# Altium PCB 75100_407_v5.0.PcbDoc (part 1 of 2) (continued)
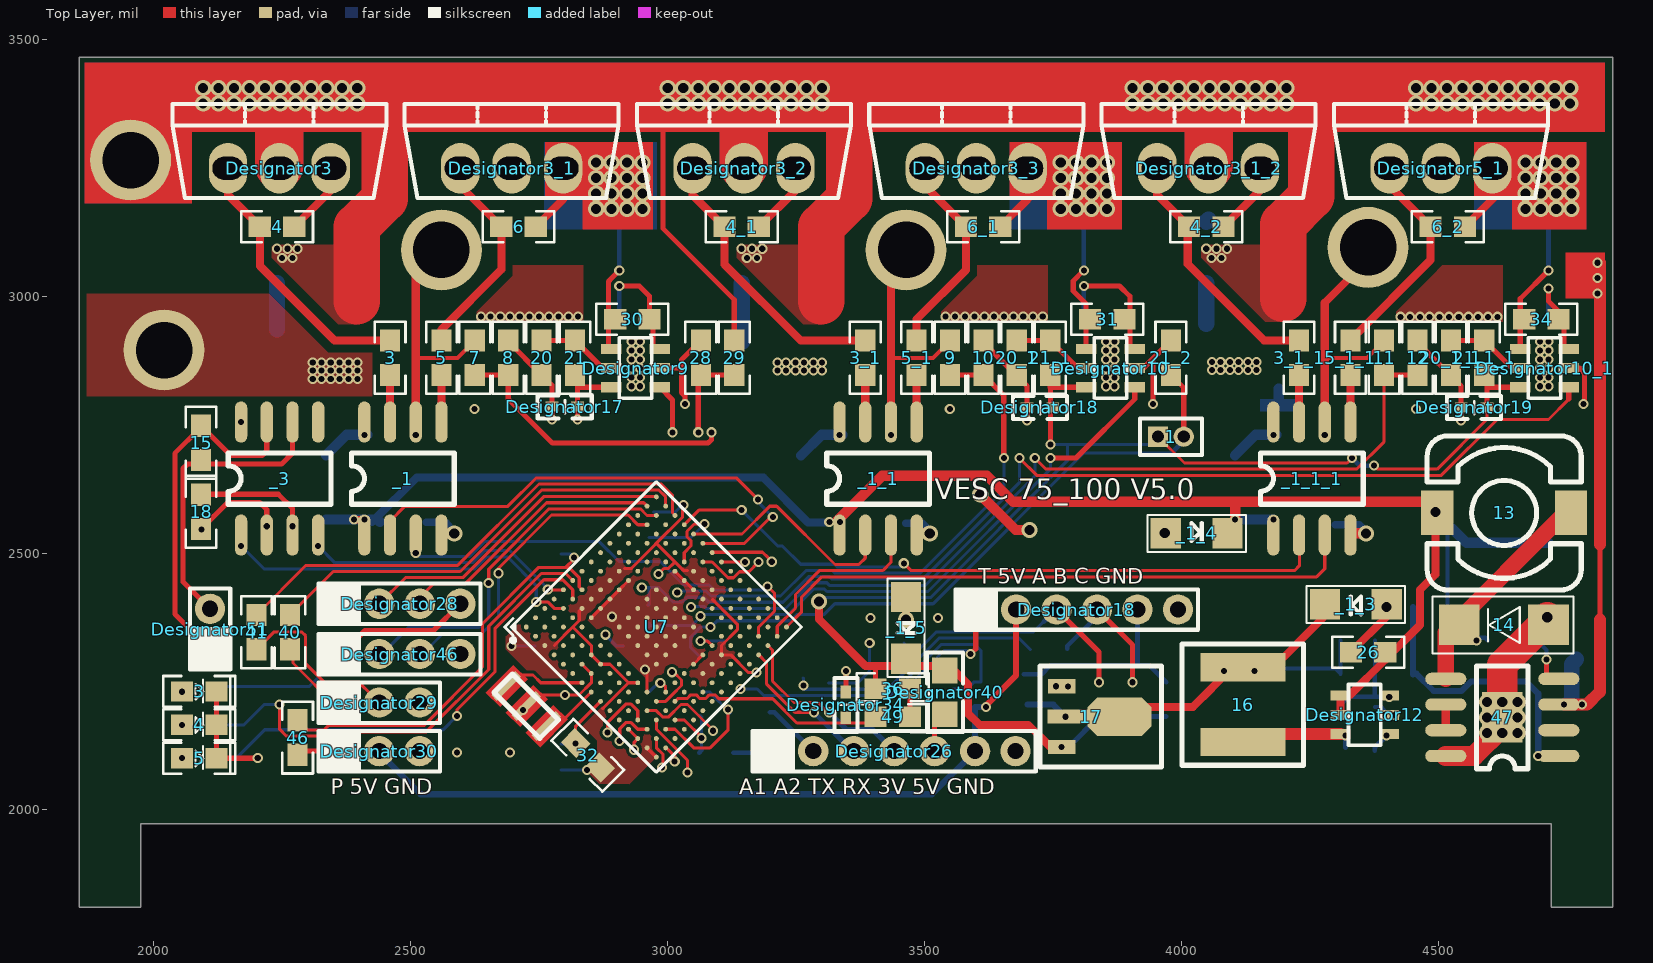
[diagram p0: Top Layer view]
## Components (designator, comment, footprint, x,y, rotation, side; value= is the part's Value field where it differs from the comment) (continued)

## Footprints (in the part's own frame and the unit in brackets; to place one, negate y for a bottom-side part, rotate by r counter-clockwise, add the part's x,y. Pads: shape width x height; smd on the part's side, far side on the other; paste and mask are expansions set on the pad)
1N4001 [mil]
  rect 79x79 smd: 1(0,0) 2(0,-174)
  silkscreen extent -55,-226 56,49
0402L [mil]
  rect 25x20 smd: 1(-2.48,-2.17) 2(47.52,-2.17)
  silkscreen extent -30,-25 75,20, body extent 7,-12 40,8, height 10
0603LED [mm] "Chip Resistor; Body 1.6 x 0.8 mm (LxW typ)"
  rect 1.1x1 smd: 1(-0.85,0) 2(0.85,0)
  silkscreen extent -1.78,-0.76 1.78,0.76, body extent -0.78,-0.39 0.84,0.41, height 0.8
0603R [mm] "Chip Resistor; Body 1.6 x 0.8 mm (LxW typ)"
  rect 1.1x1 smd: 1(-0.85,0) 2(0.85,0)
  silkscreen extent -1.78,-0.76 1.78,0.76, body extent -0.82,-0.4 0.78,0.42, height 0.65
0805 [mil]
  rect 50x50 smd: 1(0,0) 2(85,0)
  silkscreen extent -35,-35 120,35, body extent 3,-25 81,25, height 22
0805C [mm]
  rect 1.3x1.2 smd: 1(0.004,0.019) 2(0.004,2.305)
  silkscreen extent -1,-1 1,3.3
1206R [mm]
  rect 1.5x1.5 smd: 1(0,1.524) 2(0,-1.524)
  silkscreen extent -0.91,-2.44 0.91,2.44, body extent -0.79,-1.53 0.81,1.67, height 1.2
1210 [mil]
  rect 60x100 smd: 1(0,0) 2(135,0)
  silkscreen extent -50,-70 185,70
2512 [mil]
  rect 130x120 smd: 1(-4.65,0.4) 2(-4.65,220.4)
  silkscreen extent -80,-45 70,265
CSTCE [mm]
  rect 0.4x1.7 smd: 1(0.2,0.65) 2(1.6,0.65) 3(3,0.65)
  silkscreen extent 0,0 3.2,1.3
HDR2.0-LI-2P [mm] "直插，脚距：2.0mm"
  round 1.5 hole 0.8: 1(-1,0) 2(1,0)
  silkscreen extent -2,-1 2,1, body extent -2,-1 2,1, height 6.5
HDR2.0-LI-3P [mm] "直插，脚距：2.0mm"
  round 1.5 hole 0.8: 1(-2,0) 2(0,0) 3(2,0)
  silkscreen extent -3,-1 3,1, body extent -3,-1 3,1, height 6.5
HDR2.0-LI-4P [mm] "直插，脚距：2.0mm"
  round 1.5 hole 0.8: 1(-3,0) 2(-1,0) 3(1,0) 4(3,0)
  silkscreen extent -4,-1 4,1, body extent -4,-1 4,1, height 6.5
HDR2.0-LI-6P [mm] "直插，脚距：2.0mm"
  round 1.5 hole 0.8: 1(-5,0) 2(-3,0) 3(-1,0) 4(1,0) 5(3,0) 6(5,0)
  silkscreen extent -6,-1 6,1, body extent -6,-1 6,1, height 6.5
HDR2.0-LI-7P [mm] "直插，脚距：2.0mm"
  round 1.5 hole 0.8: 1(-6,0) 2(-4,0) 3(-2,0) 4(0,0) 5(2,0) 6(4,0) 7(6,0)
  silkscreen extent -7,-1 7,1, body extent -7,-1 7,1, height 6.5
MHDR1X2 [mm] "Connector; Header; 2 Position"
  rect 1x1 hole 0.6: 1(0,0)
  round 1 hole 0.6: 2(1.27,0)
  silkscreen extent -0.9,-0.9 2.17,0.9
SO-8 [mil]
  oval 80x24 smd: 1(0,0) 2(0,-50) 3(0,-100) 4(0,-150) 5(220,-150) 6(220,-100) 7(220,-50) 8(220,0)
  silkscreen extent 60,-175 160,25
SO-8-PAD [mil]
  oval 80x24 smd: 1(-110,75) 2(-110,25) 3(-110,-25) 4(-110,-75) 5(110,-75) 6(110,-25) 7(110,25) 8(110,75)
  rect 78.74x98.43 smd: 9(0,0)
  silkscreen extent -50,-100 50,100
SOT23-6 [mm]
  rect 0.5x1 smd: 1(0,0) 2(-0.95,0) 3(-1.9,0) 4(-1.9,-2.4) 5(-0.95,-2.4) 6(0,-2.4)
  silkscreen extent -2.45,-2 0.55,-0.4, body extent -2.4,-2.6 0.5,0.2, height 1.09
SOT-89 [mm]
  rect 0.7x1.35 smd: 1(1.016,-5.08) 3(4.016,-5.08)
  oct 1.9x3.15 smd: 2(2.516,-2.215)
  rect 0.7x1.99 smd: 2(2.516,-4.785)
  silkscreen extent 0.02,-6.15 5.02,-0.15
SPRH74 [mm]
  rect 2.2x1.6 smd: 1(0,3.302) 2(0,-3.302)
  silkscreen extent -3.81,-3.81 3.81,3.81
SWPA5020S [mm] "轮廓5mm*5mm ，焊盘间距2.3mm        淘宝ID:黄晶宝石"
  rect 1.4x4.2 smd: 1(-1.85,0) 2(1.85,0)
  silkscreen extent -3,-3 3,3, body extent -2.5,-2.5 2.5,2.5, height 2
TO220L [mm]
  oval 1.9x2.5 hole 1.143 slot 1.524 at 0 deg: 1(-2.514,-0.876) 2(0.026,-0.876) 3(2.566,-0.876)
  silkscreen extent -5.27,-2.36 5.32,2.3
UFBGA-201_L10.0-W10.0-P0.65-BL_STM32F407IGH6 [mil]
  round 9.5 smd: A1(-179.13,-179.13) A2(-179.13,-153.54) A3(-179.13,-127.95) A4(-179.13,-102.36) A5(-179.13,-76.77) A6(-179.13,-51.18) A7(-179.13,-25.59) A8(-179.13,0) A9(-179.13,25.59) A10(-179.13,51.18) A11(-179.13,76.77) A12(-179.13,102.36) A13(-179.13,127.95) A14(-179.13,153.54) A15(-179.13,179.13) B1(-153.54,-179.13) B2(-153.54,-153.54) B3(-153.54,-127.95) B4(-153.54,-102.36) B5(-153.54,-76.77) B6(-153.54,-51.18) B7(-153.54,-25.59) B8(-153.54,0) B9(-153.54,25.59) B10(-153.54,51.18) B11(-153.54,76.77) B12(-153.54,102.36) B13(-153.54,127.95) B14(-153.54,153.54) B15(-153.54,179.14) C1(-127.95,-179.13) C2(-127.95,-153.54) C3(-127.95,-127.95) C4(-127.95,-102.36) C5(-127.95,-76.77) C6(-127.95,-51.18) C7(-127.95,-25.59) C8(-127.95,0) C9(-127.95,25.59) C10(-127.95,51.18) C11(-127.95,76.77) C12(-127.95,102.36) C13(-127.95,127.95) C14(-127.95,153.54) C15(-127.95,179.13) D1(-102.36,-179.13) D2(-102.36,-153.54) D3(-102.36,-127.95) D4(-102.36,-102.36) D5(-102.36,-76.77) D6(-102.36,-51.18) D7(-102.36,-25.59) D8(-102.36,0) D9(-102.36,25.59) D10(-102.36,51.18) D11(-102.36,76.77) D12(-102.36,102.36) D13(-102.36,127.95) D14(-102.36,153.54) D15(-102.36,179.13) E1(-76.77,-179.13) E2(-76.77,-153.54) E3(-76.77,-127.95) E4(-76.77,-102.36) E12(-76.77,102.36) E13(-76.77,127.95) E14(-76.77,153.54) E15(-76.77,179.14) F1(-51.18,-179.13) F2(-51.18,-153.54) F3(-51.18,-127.95) F4(-51.18,-102.36) F6(-51.18,-51.18) F7(-51.18,-25.59) F8(-51.18,0) F9(-51.18,25.59) F10(-51.18,51.18) F12(-51.18,102.36) F13(-51.18,127.95) F14(-51.18,153.54) F15(-51.18,179.13) G1(-25.59,-179.13) G2(-25.59,-153.54) G3(-25.59,-127.95) G4(-25.59,-102.36) G6(-25.59,-51.18) G7(-25.59,-25.59) G8(-25.59,0) G9(-25.59,25.59) G10(-25.59,51.18) G12(-25.59,102.36) G13(-25.59,127.95) G14(-25.59,153.54) G15(-25.59,179.13) H1(0,-179.13) H2(0,-153.54) H3(0,-127.95) H4(0,-102.36) H6(0,-51.18) H7(0,-25.59) H8(0,0) H9(0,25.59) H10(0,51.18) H12(0,102.36) H13(0,127.95) H14(0,153.54) H15(0,179.14) J1(25.59,-179.13) J2(25.59,-153.54) J3(25.59,-127.95) J4(25.59,-102.36) J6(25.59,-51.18) J7(25.59,-25.59) J8(25.59,0) J9(25.59,25.59) J10(25.59,51.18) J12(25.59,102.36) J13(25.59,127.95) J14(25.59,153.54) J15(25.59,179.13) K1(51.18,-179.13) K2(51.18,-153.54) K3(51.18,-127.95) K4(51.18,-102.36) K6(51.18,-51.18) K7(51.18,-25.59) K8(51.18,0) K9(51.18,25.59) K10(51.18,51.18) K12(51.18,102.36) K13(51.18,127.95) K14(51.18,153.54) K15(51.18,179.13) L1(76.77,-179.13) L2(76.77,-153.54) L3(76.77,-127.95) L4(76.77,-102.36) L12(76.77,102.36) L13(76.77,127.95) L14(76.77,153.54) L15(76.77,179.14) M1(102.36,-179.13) M2(102.36,-153.54) M3(102.36,-127.95) M4(102.36,-102.36) M5(102.36,-76.77) M6(102.36,-51.18) M7(102.36,-25.59) M8(102.36,0) M9(102.36,25.59) M10(102.36,51.18) M11(102.36,76.77) M12(102.36,102.36) M13(102.36,127.95) M14(102.36,153.54) M15(102.36,179.13) N1(127.95,-179.13) N2(127.95,-153.54) N3(127.95,-127.95) N4(127.95,-102.36) N5(127.95,-76.77) N6(127.95,-51.18) N7(127.95,-25.59) N8(127.95,0) N9(127.95,25.59) N10(127.95,51.18) N11(127.95,76.77) N12(127.95,102.36) N13(127.95,127.95) N14(127.95,153.54) N15(127.95,179.13) P1(153.54,-179.13) P2(153.54,-153.54) P3(153.54,-127.95) P4(153.54,-102.36) P5(153.54,-76.77) P6(153.54,-51.18) P7(153.54,-25.59) P8(153.54,0) P9(153.54,25.59) P10(153.54,51.18) P11(153.54,76.77) P12(153.54,102.36) P13(153.54,127.95) P14(153.54,153.54) P15(153.54,179.14) R1(179.13,-179.13) R2(179.13,-153.54) R3(179.13,-127.95) R4(179.13,-102.36) R5(179.13,-76.77) R6(179.13,-51.18) R7(179.13,-25.59) R8(179.13,0) R9(179.13,25.59) R10(179.13,51.18) R11(179.13,76.77) R12(179.13,102.36) R13(179.13,127.95) R14(179.13,153.54) R15(179.13,179.13)
  silkscreen extent -209,-220 200,200

## Part data
13: library part Inductor, "Inductor"
14: library part "Diode 1N4005", "1 Amp General Purpose Rectifier"
25 27 _1 _1_1 _1_1_1 _2: library part C0805-1uF/25V, "X5R,20%"
_1 _1_1 _1_1_1 _3: library part IR2301S
_1 _1_1 _1_1_1: library part Cap, "Capacitor"
_2: library part "Cap Pol3", "Polarized Capacitor (Surface Mount)"
R11_1 R11_2 R11_3: library part Res2, "Resistor"

## Free pads (board coordinates)
  round 157.48 hole 110: 0(1955,3265) 0(2020,2895) 0(2560,3090) 0(3464.41,3090) 0(4363.82,3095)
  round 157.48 on Mid2: 0(1955,3265)
  round 60 smd far side: 2(3520.58,2165)

## Via types
v1: diameter 19.68, hole 11.81, Top Layer to Bottom Layer, 253 vias
v2: diameter 31.5, hole 19.68, Top Layer to Bottom Layer, 155 vias

## Nets (pads, with @x,y where several pads share a name; then routed paths per layer and width w, separated by ;. In a path a pad name is that pad's centre, name@x,y a point inside that pad or via, vN(x,y) a via of type N, cw(c..) or ccw(c..) an arc to the next point about the centre after c; other vN are vias at no path point)
1.65v: 20.2 20_1.2 20_1_1.2 21.2 21_1.2 21_1_1.2 Designator9.5 Designator10.5 Designator10_1.5 | length 471.9
  Top Layer w7.87: Designator9.5@2873.46,2860 Designator9.5@2890.51,2860 ; Designator10.5@3798.46,2860 Designator10.5@3815,2860 ; Designator10_1.5@4643.46,2860 Designator10_1.5@4660,2860
  Top Layer w10: 20.2@2755,2913.46 21.2@2820,2913.46 Designator9.5@2873.46,2860 ; 20_1.2@3680,2913.46 21_1.2@3745,2913.46 Designator10.5@3798.46,2860 ; 20_1_1.2@4525,2913.46 21_1_1.2@4590,2913.46 Designator10_1.5@4643.46,2860
3v3: 1.1@3955,2726.54 17.3 21.1 21_1.1 21_1_1.1 32.1 36.1 37.1 38.1 39.1 44.2 48.1 _1_5.2 Designator9.6 Designator10.6 Designator10_1.6 Designator17.2 Designator18.2@3750,2783.46 Designator19.2 Designator23.1 Designator25.1 Designator27.2 Designator28.4 Designator35.1 Designator40.1 Designator42.1 Designator46.1 U7.C1 U7.C5 U7.C6 U7.C7 U7.C8 U7.C9 U7.F3 U7.G3 U7.G13 U7.H13 U7.J12 U7.J13 U7.K4 U7.N8 U7.N9 U7.N10 U7.P1 U7.R1 | length 6425.7
  Top Layer w6: U7.C1@2760.16,2318.74 U7.C1@2761.24,2319.81 ; 2779.96,2320.37 2798.15,2338.56 ; 2813.09,2353.5 2798.28,2338.69 2798.15,2338.69 2820.81,2361.35 ; 2818.09,2353.5 2851.71,2319.88 U7.F3@2851.71,2301.71 U7.G3@2869.81,2283.62 2870.11,2283.92 2870.54,2283.5 2888.09,2283.5 2924.1,2247.49 ; 21.1@2820,2846.54 21.1@2825,2841.54 ; 2820.87,2361.28 2828.27,2368.68 2828.27,2386.85 U7.C5@2833.62,2392.19 ; 32.1@2864.66,2086.68 32.1@2868.66,2082.67 ; 32.1@2868.66,2091.34 32.1@2868.66,2098.39 ; 2873.46,2197 2873.6,2197 2924.1,2247.49 ; 2916.64,2469.92 2929.5,2469.92 2973.1,2513.51 ; U7.K4@2942.19,2247.43 2924.16,2247.43 2924.1,2247.49 ; U7.P1@2962.85,2118.2 U7.R1@2978.38,2102.67 ; 2973.04,2513.58 2978.38,2518.92 ; v1(2982.5,2459.5) 2992.92,2469.92 3001.76,2469.92 3013.19,2481.35 ; 3012.09,2485.09 3019.85,2477.32 ; v1@3029.5,2596 3029.5,2570.04 2978.38,2518.92 ; 3038.6,2466.3 3030.88,2466.3 3019.85,2477.32 ; 3087.45,2409.73 3135.89,2361.28 3135.89,2350.72 3105.05,2319.87 U7.N10@3105.05,2301.71 3123.08,2301.71 3157.29,2267.5 v1(3173.5,2267.5) ; 1.1@3955,2726.54 4006.38,2675.16 4322.99,2675.16 v1(4332.83,2685) ; v1(4375,2670) 4381.84,2663.16 4498.16,2663.16 4595,2760 Designator19.2@4595,2783.46 4588.27,2790.2 4588.27,2783.47 Designator19.2@4588.27,2776.73 ; 2978.38,2518.92 3019.98,2477.32 3019.85,2477.32
  Top Layer w10: Designator46.1@2360.47,2298.32 2411.41,2349.25 2544.79,2349.25 Designator28.4@2596.69,2401.16 ; v1(2825,2760) Designator17.2@2825,2785 2825,2822.6 ; 21.1@2825,2841.54 2825,2822.6 ; Designator9.6@2890.51,2822.6 2825,2822.6 ; 36.1@3405,2235.95 3405,2280.34 ; 21_1.1@3745,2846.54 3745,2822.6 ; v1(3745.31,2711) 3745.31,2822.28 3745,2822.6 ; Designator10.6@3815,2822.6 3745,2822.6 ; Designator19.2@4595,2783.46 4595,2822.6 ; 21_1_1.1@4595,2850 4595,2822.6 ; Designator10_1.6@4660,2822.6 4595,2822.6
  Top Layer w15.75: v2(3295,2405.33) 3295,2371 3385.66,2280.34 3405,2280.34 3549.07,2280.34 3573.91,2255.5 3585,2244.41 3585,2187.79 3607.18,2165.61 3702.3,2165.61 3745.31,2122.6 v1(3767.2,2122.6)
  Signal Layer 2 w6: Designator28.4@2596.69,2401.16 Designator28.4@2614.08,2401.16 ; 2808,2271 2808,2344.65 2856,2392.65 2856,2512.83 2825,2543.83 v1(2825,2760)
  Signal Layer 2 w10: v1(2843,2077.5) 2866.34,2100.84
  Signal Layer 2 w15: Designator28.4@2614.08,2401.16 v1(2696.5,2318.74) 2744.24,2271 2808,2271 2875,2271 2887.5,2283.5 ; 2859,2262.37 2859,2110 2919.84,2049.16 3051.66,2049.16 3173.5,2171 v1(3173.5,2267.5) 3173.5,2374.84 3203.99,2405.33 v2(3295,2405.33)
  Bottom Layer w6: 44.2@2121.93,2230.61 2131.26,2239.93 2302.09,2239.93 Designator46.1@2360.47,2298.32 ; v1(2696.5,2318.74) Designator27.2@2742.5,2318.74 ; Designator42.1@2792.98,2077.5 v1(2843,2077.5) v1@2848,2077.5 ; Designator25.1@2972.81,2580 3014.88,2580 v1@3030.88,2596 ; v2(3295,2405.33) 3302.83,2413.16 3512.1,2413.16 3778.46,2679.52 3778.46,2711 ; v1(3745.31,2711) 3778.46,2711 ; 1.1@3940.68,2711 3778.46,2711
  Bottom Layer w9: v1(4332.83,2685) 4347.83,2670 v1(4375,2670)
  Bottom Layer w10: v1(3767.2,2122.6) 3781.06,2122.6 39.1@3840,2181.54 38.1@3905,2181.54 37.1@3970.56,2181.54
  other v1: 3030.88,2593.5
3v3out: Designator26.5 Designator40.2 pad.2 | length 78.1
  Top Layer w6: Designator40.2@3520.03,2171.38 Designator40.2@3535,2186.35
  Top Layer w10: Designator26.5@3520.03,2114.42 Designator40.2@3520.03,2171.38
5v: 16.2 17.2 18.2 22.2 24.2 25.2 27.2 35.1 _1_3.2 _3.3 Designator31.1@3701.1,2204.89 | length 3532.7
  Top Layer w6: 17.2@3879.03,2182.63 17.2@3880,2181.65
  Top Layer w10: 18.2@2092,2613.46 2093.04,2614.5 2242.5,2614.5 2270,2587 v1(2270,2552.05)
  Top Layer w15: 4060,2237.4 16.2@4087.82,2265.23 ; v1(4083.05,2270) v1(4142.51,2270) 4172.44,2270 4280,2377.56 _1_3.2@4280,2400
  Top Layer w15.75: 17.2@3875,2200 4022.6,2200 4060,2237.4
  Top Layer w20: v1(3775,2181.33) 3877.73,2181.33 17.2@3879.03,2182.63
  Signal Layer 2 w10: v1(2270,2552.05) 2165,2447.05 2165,2079.12 2213.46,2030.66 3790.84,2030.66 3815,2054.81 3815,2141.33 v1(3775,2181.33)
  Bottom Layer w7.87: 25.2@4170,2260 4185,2275 4300,2275 22.2@4310,2265 24.2@4310,2330
  Bottom Layer w12: Designator31.1@3701.1,2204.89 3701.21,2205 3751.33,2205 v1(3775,2181.33)
  Bottom Layer w15: v1(4083.05,2270) v1(4142.51,2270)
5vout: Designator18.2@3678.74,2390 Designator26.6 Designator30.2 Designator31.2@3616.1,2204.89 | length 1551.5
  Top Layer w12: v1@3620,2203.13 3678.74,2261.87 Designator18.2@3678.74,2390
  Bottom Layer w12: Designator30.2@2435,2115 2519.5,2030.5 3514.86,2030.5 Designator26.6@3598.77,2114.42 3598.77,2199.93 3598.84,2200 v1(3620,2200)
12v: 13.2 26.1 _1.1@2410,2535 _1.1@2440.74,2560.15 _1.2@2335,2565 _1_1.1@3335,2535 _1_1.1@3365.74,2560.15 _1_1.2@3260,2565 _1_1_1.1@4179.41,2535 _1_1_1.1@4210.15,2555.15 _1_1_1.2@4104.41,2565 _1_4.2 _2.1@4518.46,2395 _2.1@4584.85,2540.74 _2.1@4715,2520 _2.2@4518.46,2330 Designator12.4 Designator12.5 | length 3420.8
  Top Layer w15: v1(2390,2565) v1(2410,2565)
  Top Layer w15.75: Designator12.5@4310,2185 Designator12.4@4310,2222.4 4327.4,2222.4 26.1@4397.28,2292.28 ; 26.1@4397.28,2306.72 26.1@4397.28,2292.28 ; 13.2@4475,2600 v2(4495,2580) 4495,2458.57 4465,2428.57 4465,2360 26.1@4397.28,2292.28
  Top Layer w20: _1_1.1@3331.63,2564.12 3418.1,2650.6 3621.97,2650.6 3672.56,2600 4105,2600 ; v1(4105,2565) 4105,2600 ; 13.2@4475,2600 4105,2600
  Signal Layer 2 w6: v1(3315,2560) v1(3335.75,2560)
  Bottom Layer w7.87: _2.2@4518.46,2330 _2.1@4518.46,2395 4518.46,2553.46
  Bottom Layer w15.75: v1(2410,2565) 2420,2565 2425,2560 2430,2565 2512.01,2647.01 3186.53,2647.01 3273.79,2559.75 v1@3315,2559.75
  Bottom Layer w19.68: _1.2@2335,2565 v1(2390,2565) v1(2410,2565) ; _1.1@2420,2565 2430,2565 2435.89,2565 _1.1@2440.74,2560.15 ; v1(4105,2565) v1(4180,2565) ; v2(4495,2580) 4555,2520 _2.1@4715,2520
ad1: 3_3.1 Designator26.1 | length 77.9
  Bottom Layer w9: 3_3.1@3128.46,2111.31 3201.97,2111.31 Designator26.1@3205.07,2114.42
ad2: 3_4.1 Designator26.2 | length 115.6
  Bottom Layer w9: 3_4.1@3199.47,2190 3208.23,2190 Designator26.2@3283.81,2114.42
adc1: 3_3.2 Designator32.2 U7.P4 | length 144.1
  Top Layer w6: U7.P4@3014.57,2175.05 3032.6,2175.05 3066.5,2141.15 v1(3066.5,2139.5)
  Bottom Layer w6: Designator32.2@3063.5,2183.82 3066.89,2180.42 3066.5,2180.03 v1(3066.5,2139.5) 3066.5,2117.06 3_3.2@3066.89,2116.67
  Bottom Layer w9: 3_3.2@3061.54,2111.31 3_3.2@3066.89,2116.67
adc2: 3_4.2 Designator31.2@3062.52,2229 U7.P3 | length 262
  Top Layer w6: U7.P3@2996.48,2156.95 3014.64,2156.95 3050.93,2120.66 3083.16,2120.66 3117.5,2155 v1(3117.5,2195.5)
  Bottom Layer w6: Designator31.2@3068.7,2229.78 3081.45,2229.78 3_4.2@3122.54,2188.68
  Bottom Layer w9: Designator31.2@3068.48,2230 Designator31.2@3068.7,2229.78
anin: 28.1 29.1 Designator36.1 U7.M5 | length 806.9
  Top Layer w6: v1@2983.5,2245.54 v1@2985.04,2244.01 ; v1@2985.5,2250.5 2996.48,2239.52 U7.M5@2996.48,2229.33 ; 28.1@3060,2841.54 28.1@3065,2846.54
  Top Layer w10: v1(3060,2735) 28.1@3060,2841.54 ; 28.1@3065,2846.54 29.1@3130,2846.54
  Signal Layer 2 w6: v1@2984.84,2249.16 2984.5,2249.5 v1@2985.5,2250.5 ; v1(2986,2247) 3014.15,2247 3027.66,2260.51 3027.66,2287.28 3009.16,2305.78 3009.16,2406.7 3000.16,2415.7 3000.16,2431.3 3013,2444.15 3013,2496.03 3000.04,2508.99 3000.04,2622.72 3060,2682.68 v1(3060,2735)
  Bottom Layer w6: Designator36.1@2963.89,2230.67 2965.67,2230.67 v1@2985.5,2250.5
bst1: 47.4 _2.2@4663.46,2330 | length 130.2
  Top Layer w6: 47.4@4720,2255 47.4@4735,2255
  Top Layer w10: v1(4711.15,2293.07) 4711.15,2263.85 47.4@4720,2255
  Bottom Layer w7.87: _2.2@4663.46,2330 4692.14,2330 4711.15,2310.99 v1(4711.15,2293.07)
bst2: 19.1 Designator12.1 | length 39.6
  Bottom Layer w9: 19.1@4376.93,2115 19.1@4376.93,2121.93
  Bottom Layer w10: 19.1@4376.93,2121.93 v1(4400,2145)
C1: Designator9.1 Designator39.2 U7.M2 | length 976.4
  Top Layer w6: v1(2883.5,2150.5) 2883.5,2170.58 2918.82,2205.89 2929.38,2205.89 2942.19,2193.08 U7.M2@2942.19,2175.05
  Top Layer w10: Designator9.1@2985,2822.6 3010,2797.6 v1(3010,2735)
  Signal Layer 2 w6: v1(2879,2341) 2933.41,2341 ; v1(2883.5,2150.5) 2936.5,2203.5 2936.5,2337.91 2936.5,2373.3 2905.3,2404.5 2905,2404.5 2905,2630 v1(3010,2735)
  Bottom Layer w6: v1(2879,2341) 2901.26,2318.74 Designator39.2@2913.89,2318.74
C2: Designator10.1 Designator38.1 U7.M3 | length 1594.6
  Top Layer w6: U7.M3@2960.29,2193.14 2978.45,2193.14 2991.2,2180.39 3001.76,2180.39 3026.43,2205.07 3038.93,2205.07 ; 3038.98,2204.98 3088.5,2155.47 v1(3088.5,2154)
  Top Layer w10: v1(3745.31,2685) 3795,2685 3909.49,2799.49 Designator10.1@3909.49,2822.6
  Signal Layer 2 w6: v1(3064,2377) 3045.16,2358.16 3045.16,2320.7 3063.66,2302.2 3063.66,2178.34 3087.5,2154.5 v1@3095.5,2154.5
  Bottom Layer w6: Designator38.1@2963.89,2358.5 3047,2358.5 3064,2375.5 v1(3064,2377) 3065.5,2377 3068.66,2380.16 3234.83,2380.16 3284.75,2430.08 3305.25,2430.08 3310.17,2425.16 3507.13,2425.16 3745.31,2663.34 v1(3745.31,2685)
  Bottom Layer w9: Designator38.1@2963.89,2357.83 2963.89,2358.5 Designator38.1@2963.89,2358.86 Designator38.1@2963.89,2361.97
C3: Designator10_1.1 Designator37.1 U7.M4 | length 2398.9
  Top Layer w6: U7.M4@2978.38,2211.24 2996.41,2211.24 3009.23,2224.05 3027.32,2242.15 3027.32,2252.71 3012.03,2268 v1(3008.5,2268) ; v1@3009.23,2264.83 v1@3010.9,2266.5 ; v1(3685,2685) 3718.84,2651.16 4506.16,2651.16 4615,2760 4715,2760 4754.49,2799.49
  Top Layer w10: 4754.49,2799.49 Designator10_1.1@4754.49,2822.6
  Signal Layer 2 w6: v1(2950,2432.5) 2950,2416.15 2997.16,2369 2997.16,2279.34 v1(3008.5,2268)
  Bottom Layer w6: v1(2950,2432.5) 2963.89,2432.5 ; Designator37.1@2960.92,2398.99 Designator37.1@2963.97,2398.99 2963.97,2432.42 2963.89,2432.5 ; v1(3008.5,2268) 3008.5,2269.29 v1@3009.55,2270.34 ; v1(3685,2685) 3685,2636.97 3497.19,2449.16 3320.11,2449.16 3315.19,2454.08 3274.81,2454.08 3224.89,2404.16 3080.46,2404.16 3070.78,2413.84 3037.7,2413.84 3028.51,2404.66 3010.77,2404.66 2982.92,2432.5 2963.89,2432.5
can_rx: _3.4 U7.A5 | length 532.6
  Top Layer w6: v1@2767,2428.38 U7.A5@2797.43,2428.38
  Bottom Layer w6: v1(2320,2513.64) 2352.49,2481.16 2619.9,2481.16 2643.24,2504.5 2693.47,2504.5 2766,2431.97 v1@2766,2429
  other v1: 2767,2429
can_tx: _3.1 U7.B4 | length 709.4
  Top Layer w6: v1@2750.56,2404.94 2766.65,2404.94 2779.4,2392.19 U7.B4@2797.43,2392.19
  Bottom Layer w6: v1(2170,2513.64) 2214.49,2469.16 2624.87,2469.16 2648.21,2492.5 2688.5,2492.5 2744.5,2436.5 v1(2744.5,2405)
CANH: 15.2 _3.7 Designator51.1 | length 699.3
  Top Layer w10: 15.2@2092,2747.96 15.2@2098.96,2741 ; Designator51.1@2109.5,2312.64 2041,2381.14 2041,2694 2088,2741 15.2@2098.96,2741 ; _3.7@2220,2755 2220,2699 2210.5,2689.5 2150.46,2689.5 15.2@2098.96,2741
CANL: 15.1 _3.6 Designator51.2 | length 580.7
  Top Layer w10: Designator51.2@2109.5,2391.38 2057,2443.88 2057,2664.35 2066.15,2673.5 2249,2673.5 2270,2694.5 _3.6@2270,2755
CU: _1.1@2335,2685 _1.1@2415.74,2730.15 _1.8 | length 97.4
  Bottom Layer w19.68: _1.1@2335,2690 2375.15,2730.15 _1.1@2415.74,2730.15
  other v1: 2410,2730
CV: _1_1.1@3260,2685 _1_1.1@3340.74,2730.15 _1_1.8 | length 97.4
  Bottom Layer w19.68: _1_1.1@3260,2690 3300.15,2730.15 _1_1.1@3340.74,2730.15
  other v1: 3335,2730
CW: _1_1_1.1@4104.41,2685 _1_1_1.1@4185.15,2730.15 _1_1_1.8 | length 97.4
  Bottom Layer w19.68: _1_1_1.1@4104.41,2690 4144.56,2730.15 _1_1_1.1@4185.15,2730.15
  other v1: 4179.41,2730
d+: 40.2 Designator29.1 | length 146.8
  Top Layer w6: 40.2@2270.99,2306.57 2270.99,2285.78 2353.96,2202.8 Designator29.1@2360.06,2208.9
d-: 41.2 Designator29.2 | length 335
  Top Layer w6: 41.2@2200,2312.56 2233.46,2346.02 2288.43,2346.02 2295.69,2338.77 2295.69,2284.56 2331.79,2248.46 2399.27,2248.46 Designator29.2@2423.84,2223.9
  Top Layer w10: Designator29.2@2423.84,2223.9 Designator29.2@2438.8,2223.9
dm: 41.1 U7.C15 | length 966
  Top Layer w6: 41.1@2200,2379.48 2296.46,2475.94 2591.5,2475.94 2749.95,2634.39 2988.32,2634.39 3009.66,2613.06 3009.66,2578.06 U7.C15@3014.57,2573.14
dp: 40.1 U7.B15 | length 855.6
  Top Layer w6: 40.1@2265,2379.48 2349.46,2463.94 2596.47,2463.94 2754.92,2622.39 2983.35,2622.39 2996.48,2609.27 U7.B15@2996.48,2591.24
en: 47.6 47.7 | length 50
  Top Layer w15.75: 47.7@4515,2155 47.6@4515,2205
fb: 47.1 _2.1@4451.54,2265 _2.1@4451.54,2330 _2.2@4451.54,2395 | length 560.1
  Top Layer w6: v1(4695,2105) 47.1@4735,2105
  Bottom Layer w11.81: _2.1@4451.54,2263.41 _2.1@4451.54,2265 _2.1@4451.54,2328.41 ; _2.1@4451.54,2330 _2.2@4451.54,2395 ; _2.1@4457.64,2265 4491.1,2231.54 4545.83,2231.54 4564.37,2250.08 4671.22,2250.08 4695,2226.3 v1(4695,2105)
fb2: 22.1 23.1 24.1 Designator12.3 | length 232.1
  Bottom Layer w7.87: 22.1@4376.93,2265 24.1@4376.93,2330
  Bottom Layer w9: 23.1@4310,2185 4310,2204.4 4325.6,2220 4380,2220 ; 22.1@4376.93,2265 4376.93,2223.07 4380,2220 ; v1(4405,2220) 4380,2220
GND: 3.2@2121.93,2230.61 4.2@2121.93,2165.61 5.2@2121.93,2100.61 8.2 10.2 12.2 14.1 17.1 18.1 20.1 20_1.1 20_1_1.1 21_2.2 23.2 25.1 26.2 27.1 28.2 35.2 47.8 47.9 48.2 _1_1_2.1 _1_1_3.2 _1_3.1 _1_4.1 _1_5.1 _2.2@4518.46,2265 _2.2@4584.85,2630.74 _2.2@4715,2655 _3.2 _3.8 Designator9.2 Designator10.2 Designator10_1.2 Designator12.2 Designator17.1 Designator18.1@3700,2783.46 Designator18.6 Designator19.1 Designator20.2 Designator21.1 Designator23.2 Designator25.2 Designator26.7 Designator27.1 Designator28.1 Designator29.3 Designator30.3 Designator31.1@3012.52,2229 Designator32.1 Designator33.2 Designator34.2 Designator35.2 Designator36.2 Designator37.2 Designator38.2 Designator39.1 Designator41.1 Designator42.2 Designator43.2 Designator44.2 Designator45.2 Designator46.4 Designator47.2 U7.D5 U7.D6 U7.D7 U7.D8 U7.D9 U7.F2 U7.F6 U7.F7 U7.F8 U7.F9 U7.F10 U7.F12 U7.G2 U7.G6 U7.G7 U7.G8 U7.G9 U7.G10 U7.G12 U7.H6 U7.H7 U7.H8 U7.H9 U7.H10 U7.H12 U7.J6 U7.J7 U7.J8 U7.J9 U7.J10 U7.K6 U7.K7 U7.K8 U7.K9 U7.K10 U7.L4 U7.M1 U7.M8 U7.M9 U7.N1 X1.2 | length 2653.2
  Top Layer w6: X1.2@2725,2201.97 2746.53,2223.5 v1(2800.5,2223.5) 2827.72,2223.5 2851.71,2247.49 U7.G2@2851.71,2265.52 U7.F2@2833.62,2283.62 ; U7.D5@2851.72,2374.09 U7.D8@2906,2428.38 U7.D9@2924.1,2446.48 ; U7.M1@2924.1,2156.95 U7.N1@2942.19,2138.86 2935,2131.67 v1(2935,2117) ; v1(2956.18,2273) 2960.29,2268.9 U7.L4@2960.29,2229.33 ; U7.F12@3014.57,2464.57 U7.H12@3050.76,2428.38 ; U7.M8@3050.76,2283.62 U7.M9@3068.86,2301.71 ; Designator34.2@3347.17,2224.23 Designator34.2@3347.17,2229.17 ; _1_3.1@4400,2376.37 v2(4400,2395)
  Top Layer w7.87: 17.1@3752,2236.54 v1(3756.17,2240.71) 17.1@3756.88,2240 ; v1(3780,2240) 17.1@3758.3,2240 ; 17.1@3756.88,2240 3757.59,2240.71 17.1@3758.3,2240 ; 17.1@3756.88,2240 17.1@3758.3,2240
  Top Layer w10: 18.1@2092,2546.54 2143.96,2598.5 2206,2598.5 2220,2584.5 v1(2220,2552.05) ; 3.2@2121.93,2230.61 4.2@2121.93,2165.61 5.2@2121.93,2100.61 v1(2202.36,2100.61) ; 8.2@2689.04,2912.5 20.1@2755,2846.54 2775,2826.54 Designator17.1@2775,2785 v1(2775,2760) ; Designator9.2@2985,2860 3027,2860 ; v1(3033.83,2790) 3033.83,2805.34 3027,2812.18 3027,2860 ; 28.2@3065,2913.46 3027,2875.46 3027,2860 ; Designator34.2@3347.17,2229.17 v1(3347.17,2270) ; 10.2@3614.04,2910.96 3700,2825 Designator18.1@3700,2783.46 v1(3700,2758.46) ; Designator10.2@3926.54,2860 3945,2878.46 ; v1(3945,2790) 3945,2878.46 ; 21_2.2@3980,2913.46 3945,2878.46 ; 12.2@4459.04,2910.96 4545,2825 Designator19.1@4545,2783.46 v1(4545,2758.46) ; Designator10_1.2@4754.49,2860 4775.17,2860 4785.17,2850 4785.17,2791.85 v1(4783.32,2790)
  Top Layer w15: v2(3464.41,2370.12) _1_5.1@3464.41,2414.22 ; 26.2@4330.35,2306.72 _1_3.1@4400,2376.37
  Top Layer w15.75: v1(4395,2185) Designator12.2@4404.49,2185 v1(4415,2185)
  Top Layer w20: v2(3608.82,2613.69) 3677.51,2545 v2(3705,2545)
  Top Layer w39.37: 47.8@4515,2105 4570,2105 4625,2160 47.9@4625,2180 47.9@4625,2195.37
  Top Layer w59.06: v2(4625,2210) 4625,2282.48 4712.5,2369.98 v2(4712.5,2375)
  Bottom Layer w7.87: 23.2@4376.93,2200 4389.49,2200 4395,2194.49 v1(4395,2185)
  other v1: 2590,2111.75 2693.47,2111.75 2719.05,2194.67 3395,2373.73 3526.27,2373.73 2892.1,2376 2092.5,2546.09 2170,2755 2624.57,2780 3549.57,2780 4457.2,2780
  other v2: 4595,2150 4625,2150 4655,2150 4595,2180 4655,2180 4595,2210 4655,2210 3968,2539.2